# Altium PCB 0020-03_FFT2G.PcbDoc (part 1 of 16) (continued)
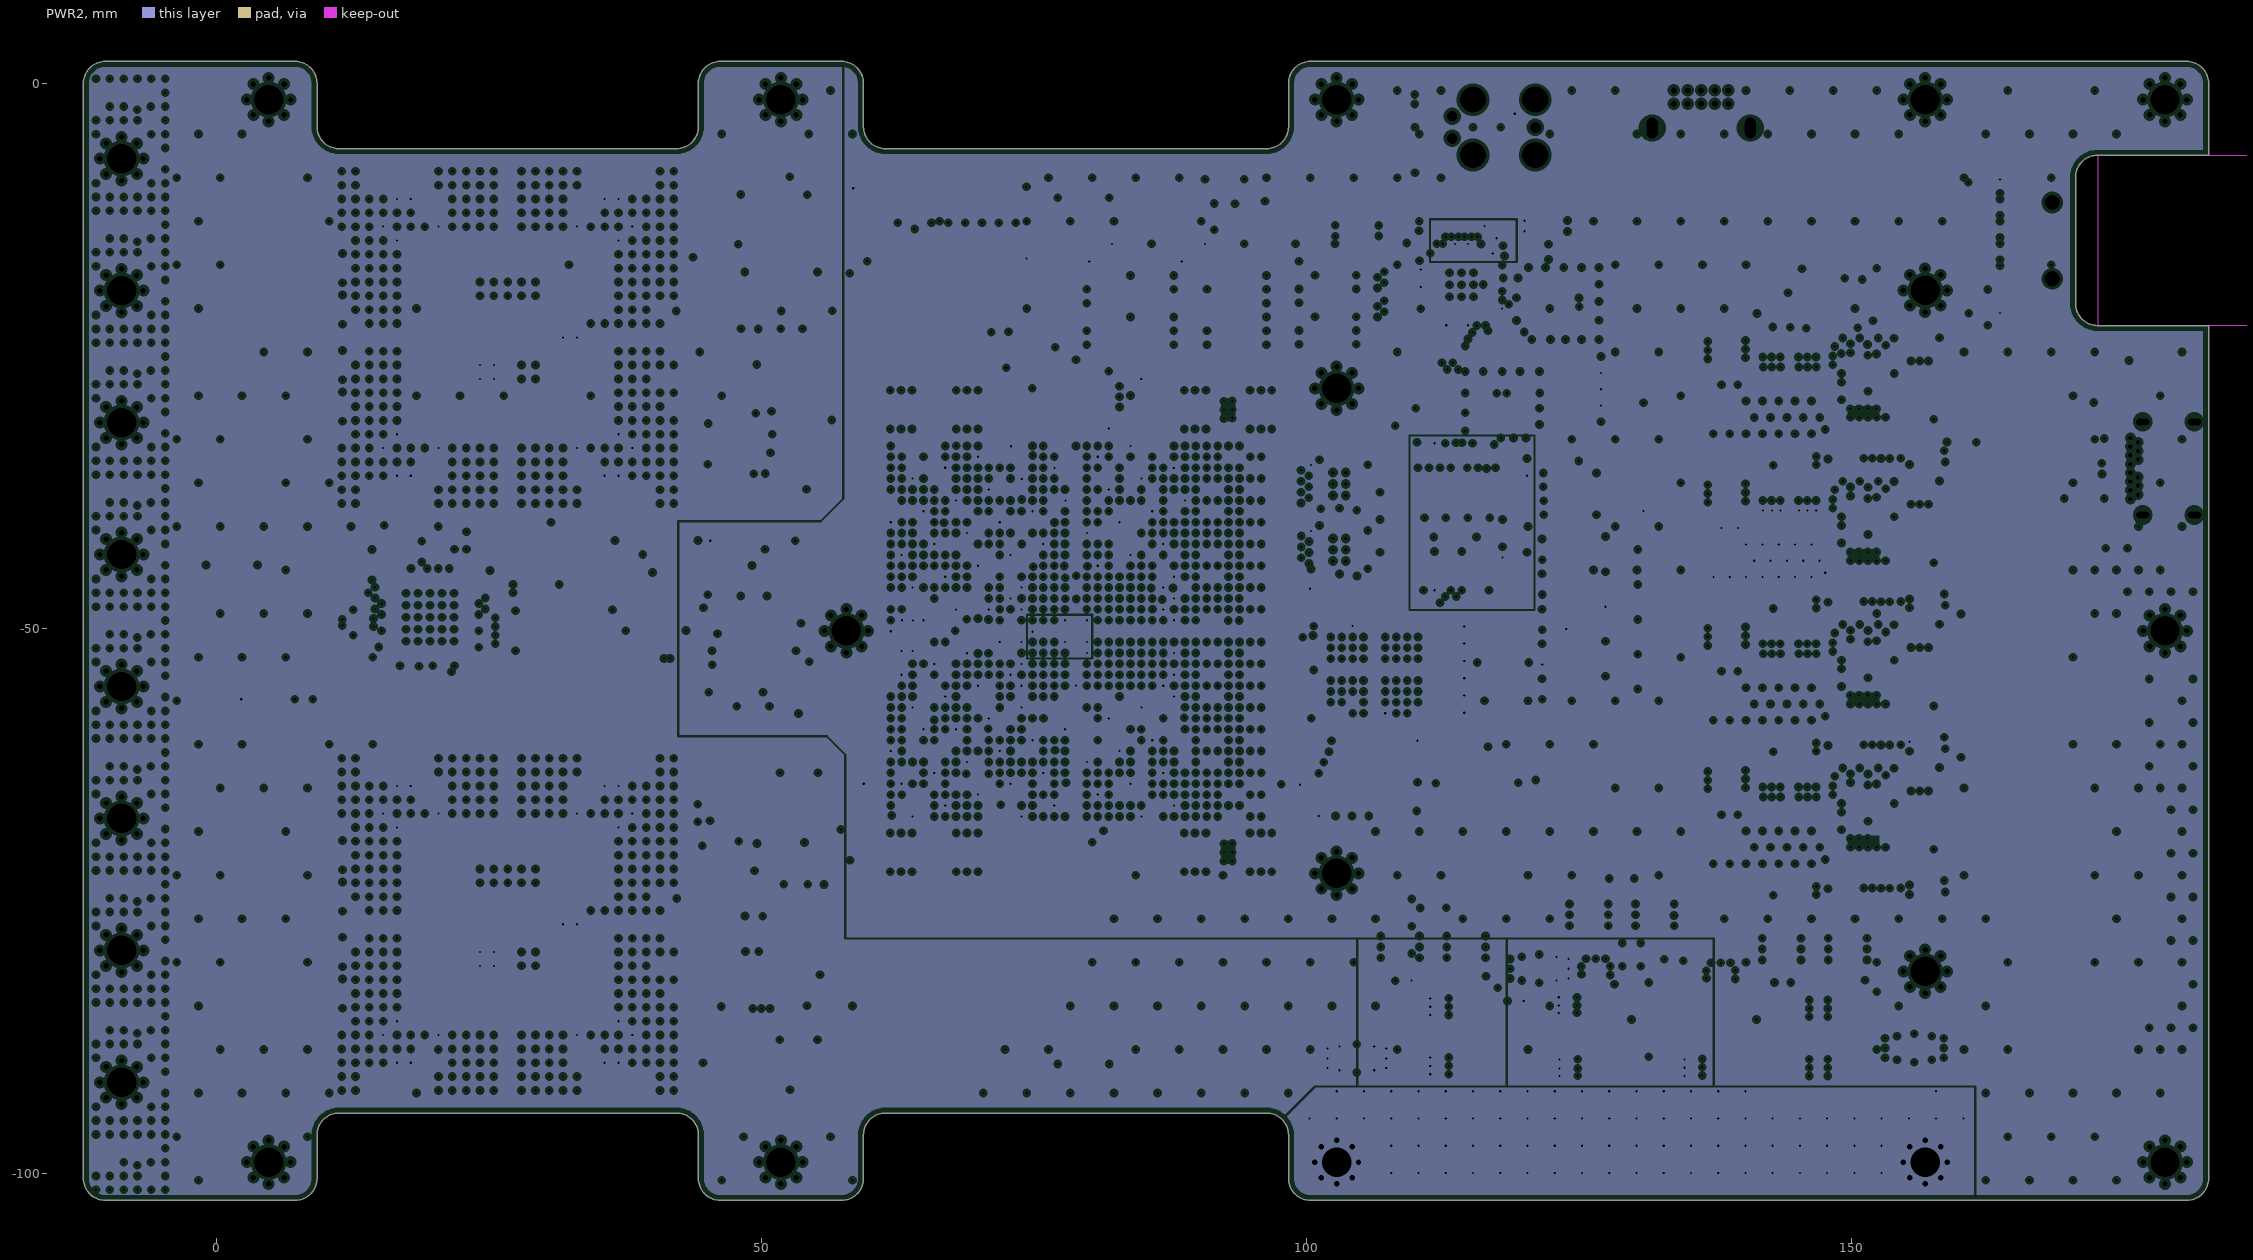
[diagram p6: PWR2, clearances drawn from the general rule]
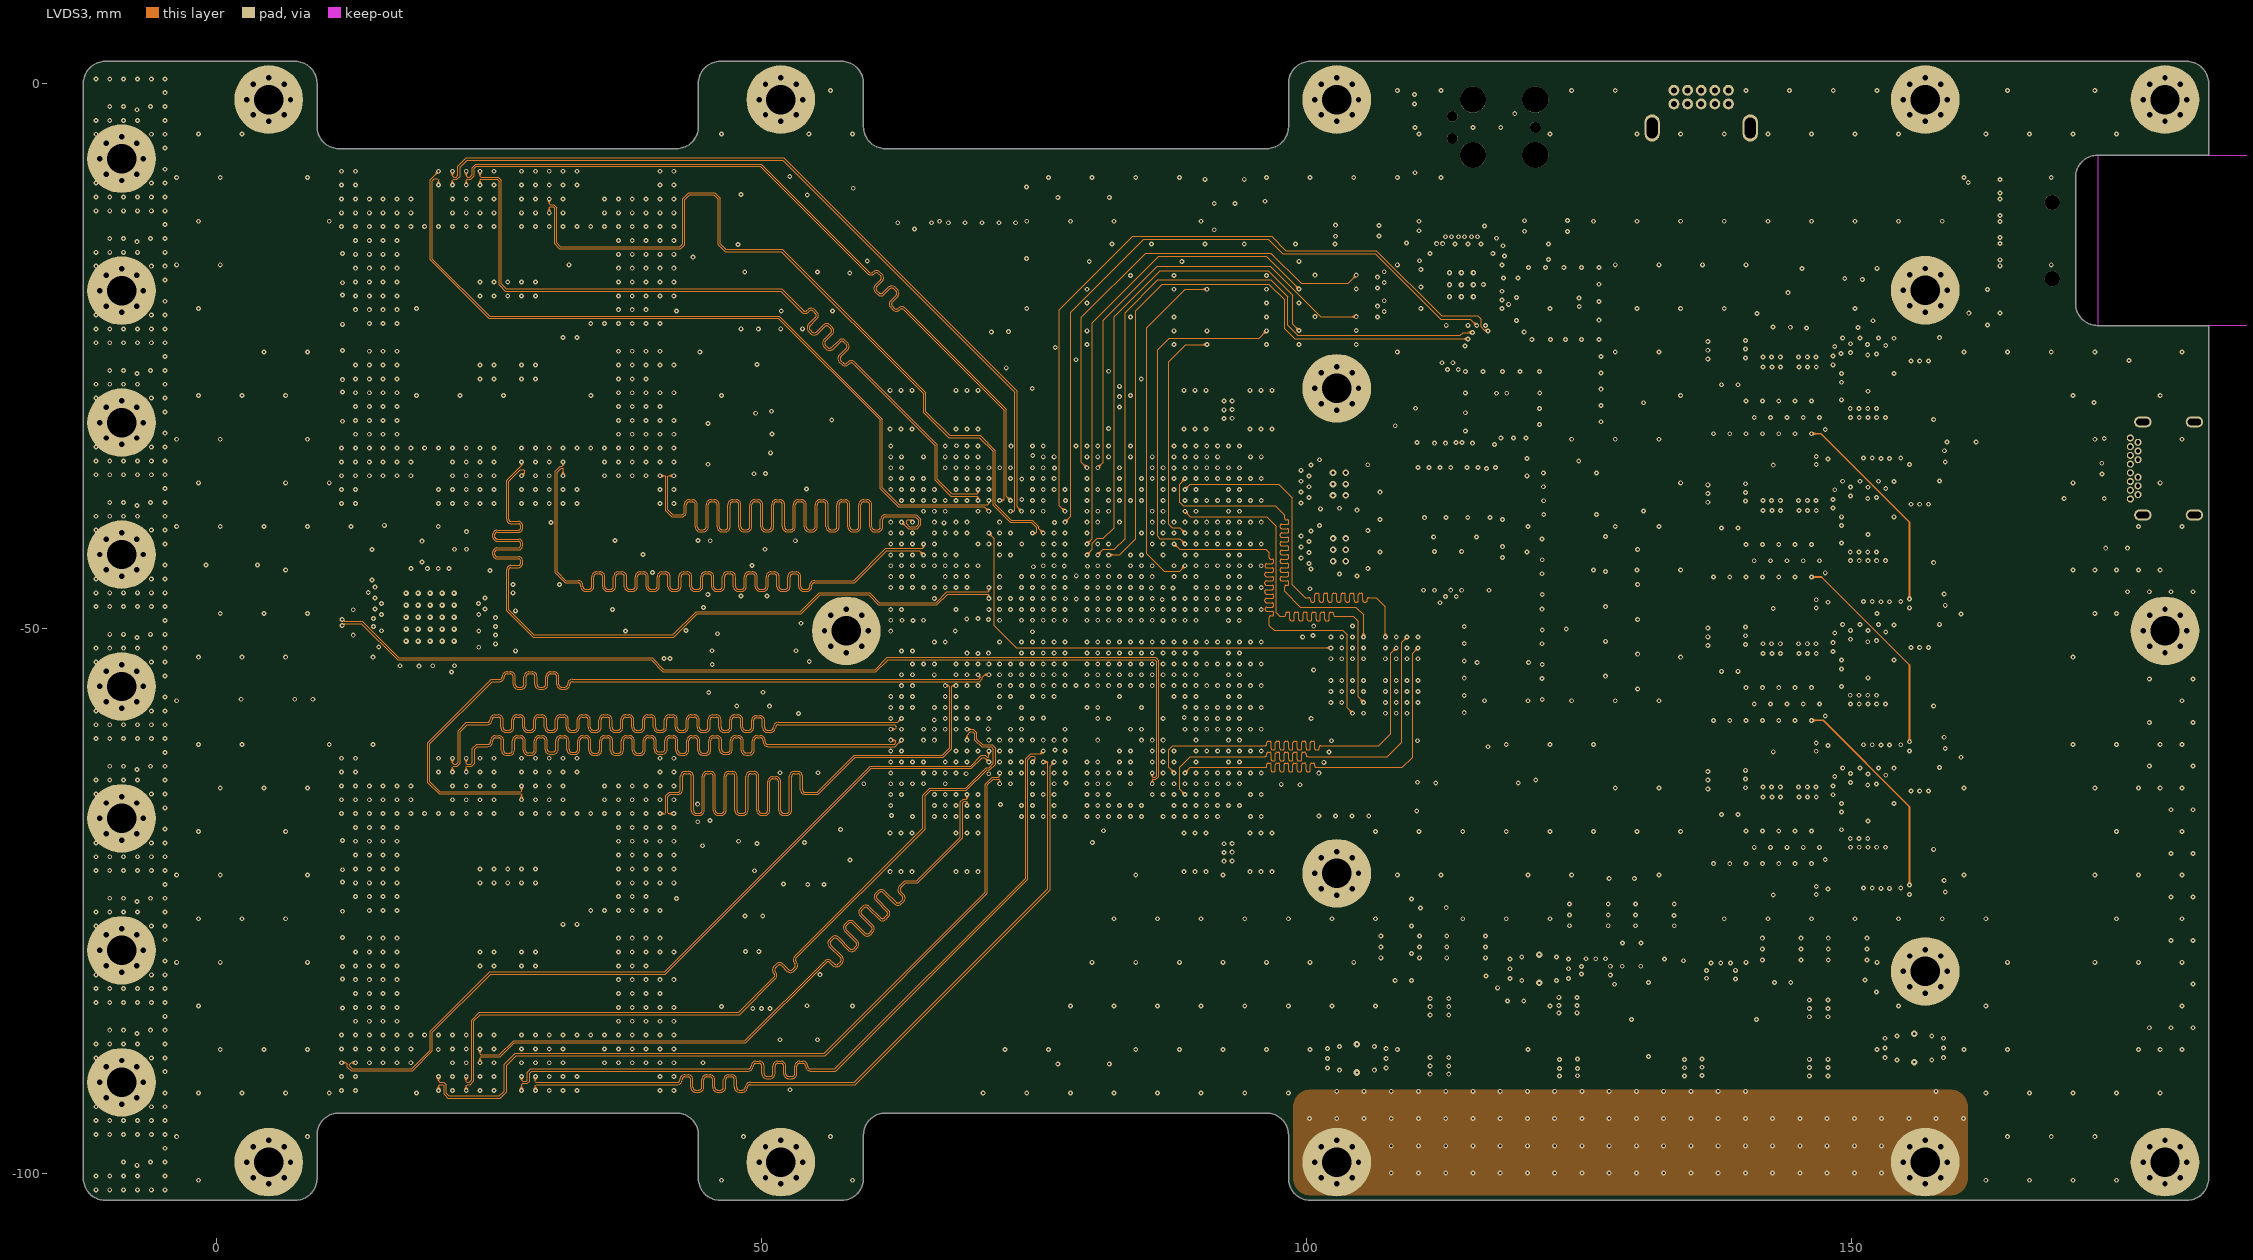
[diagram p7: LVDS3]
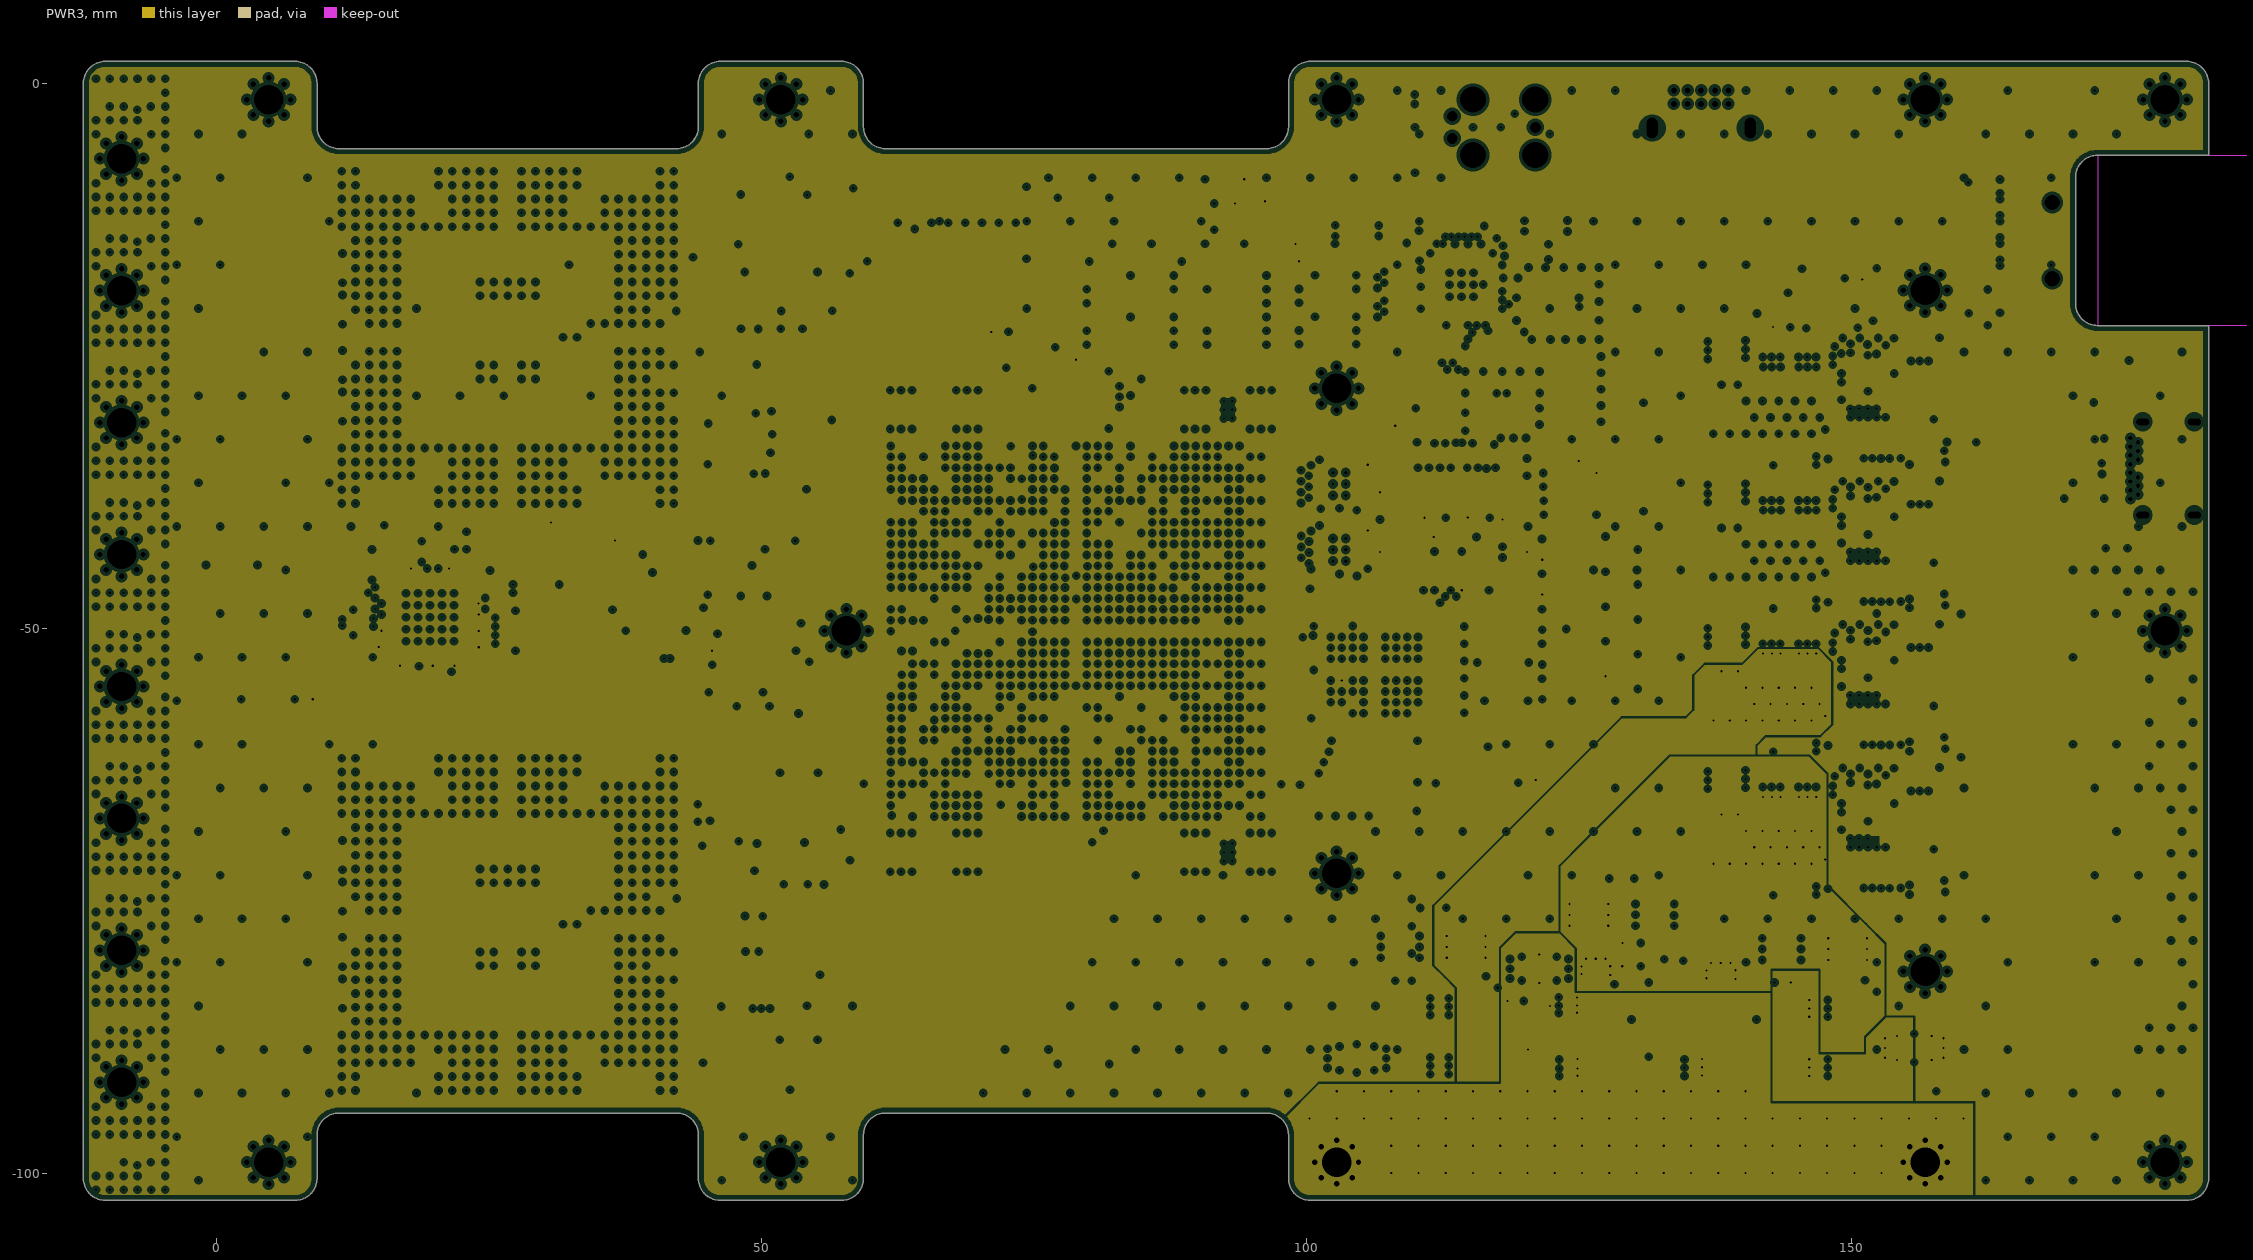
[diagram p8: PWR3, clearances drawn from the general rule]
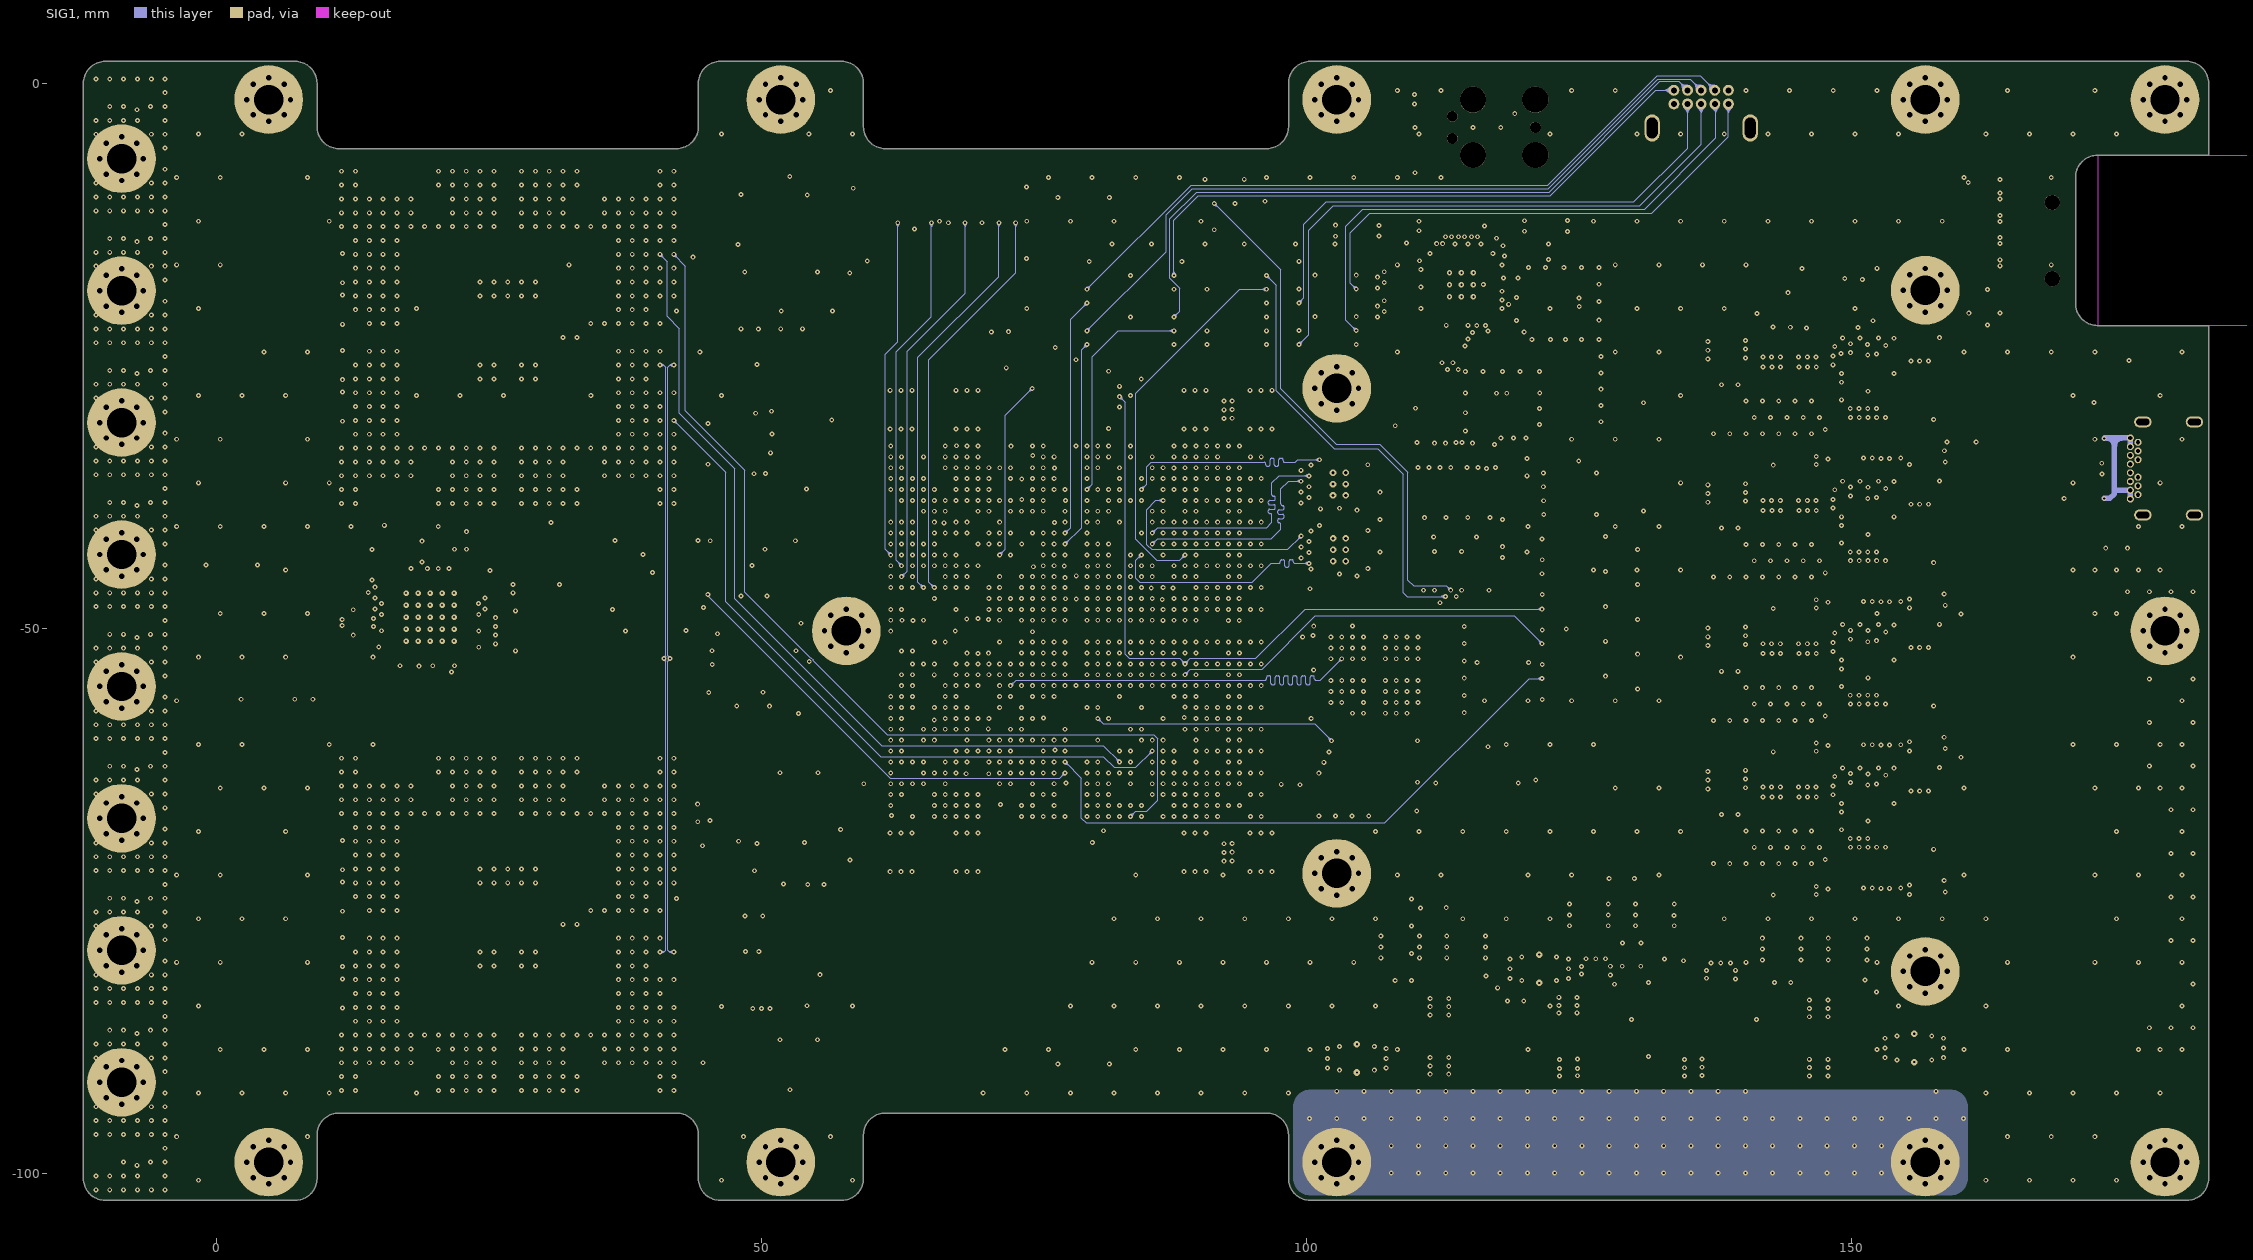
[diagram p9: SIG1]